# KiCad board Tiboard-v2.1.kicad_pcb
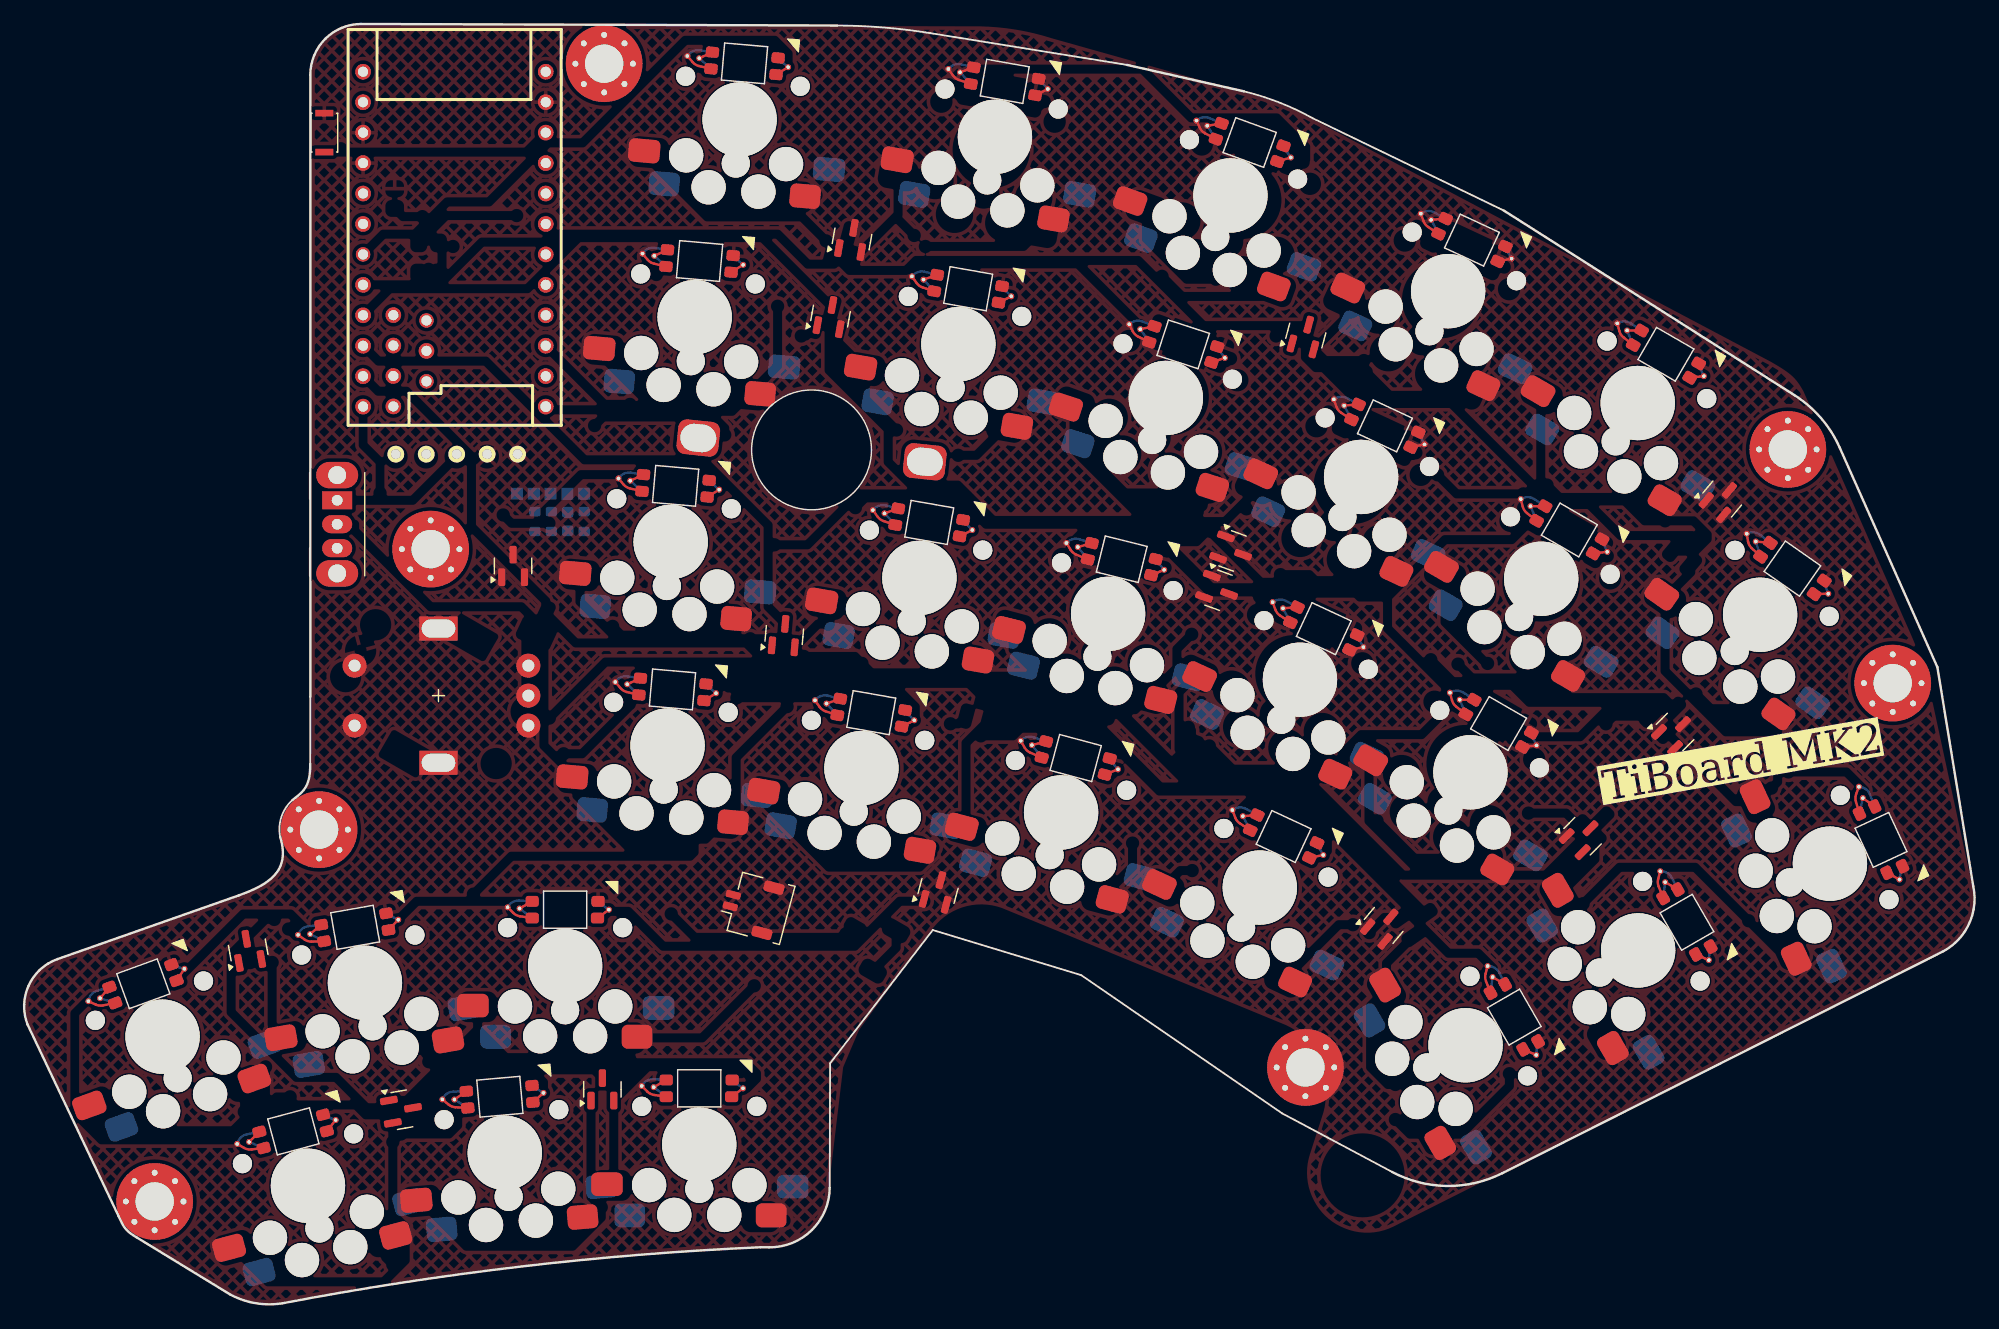
[diagram p0: board, top side]
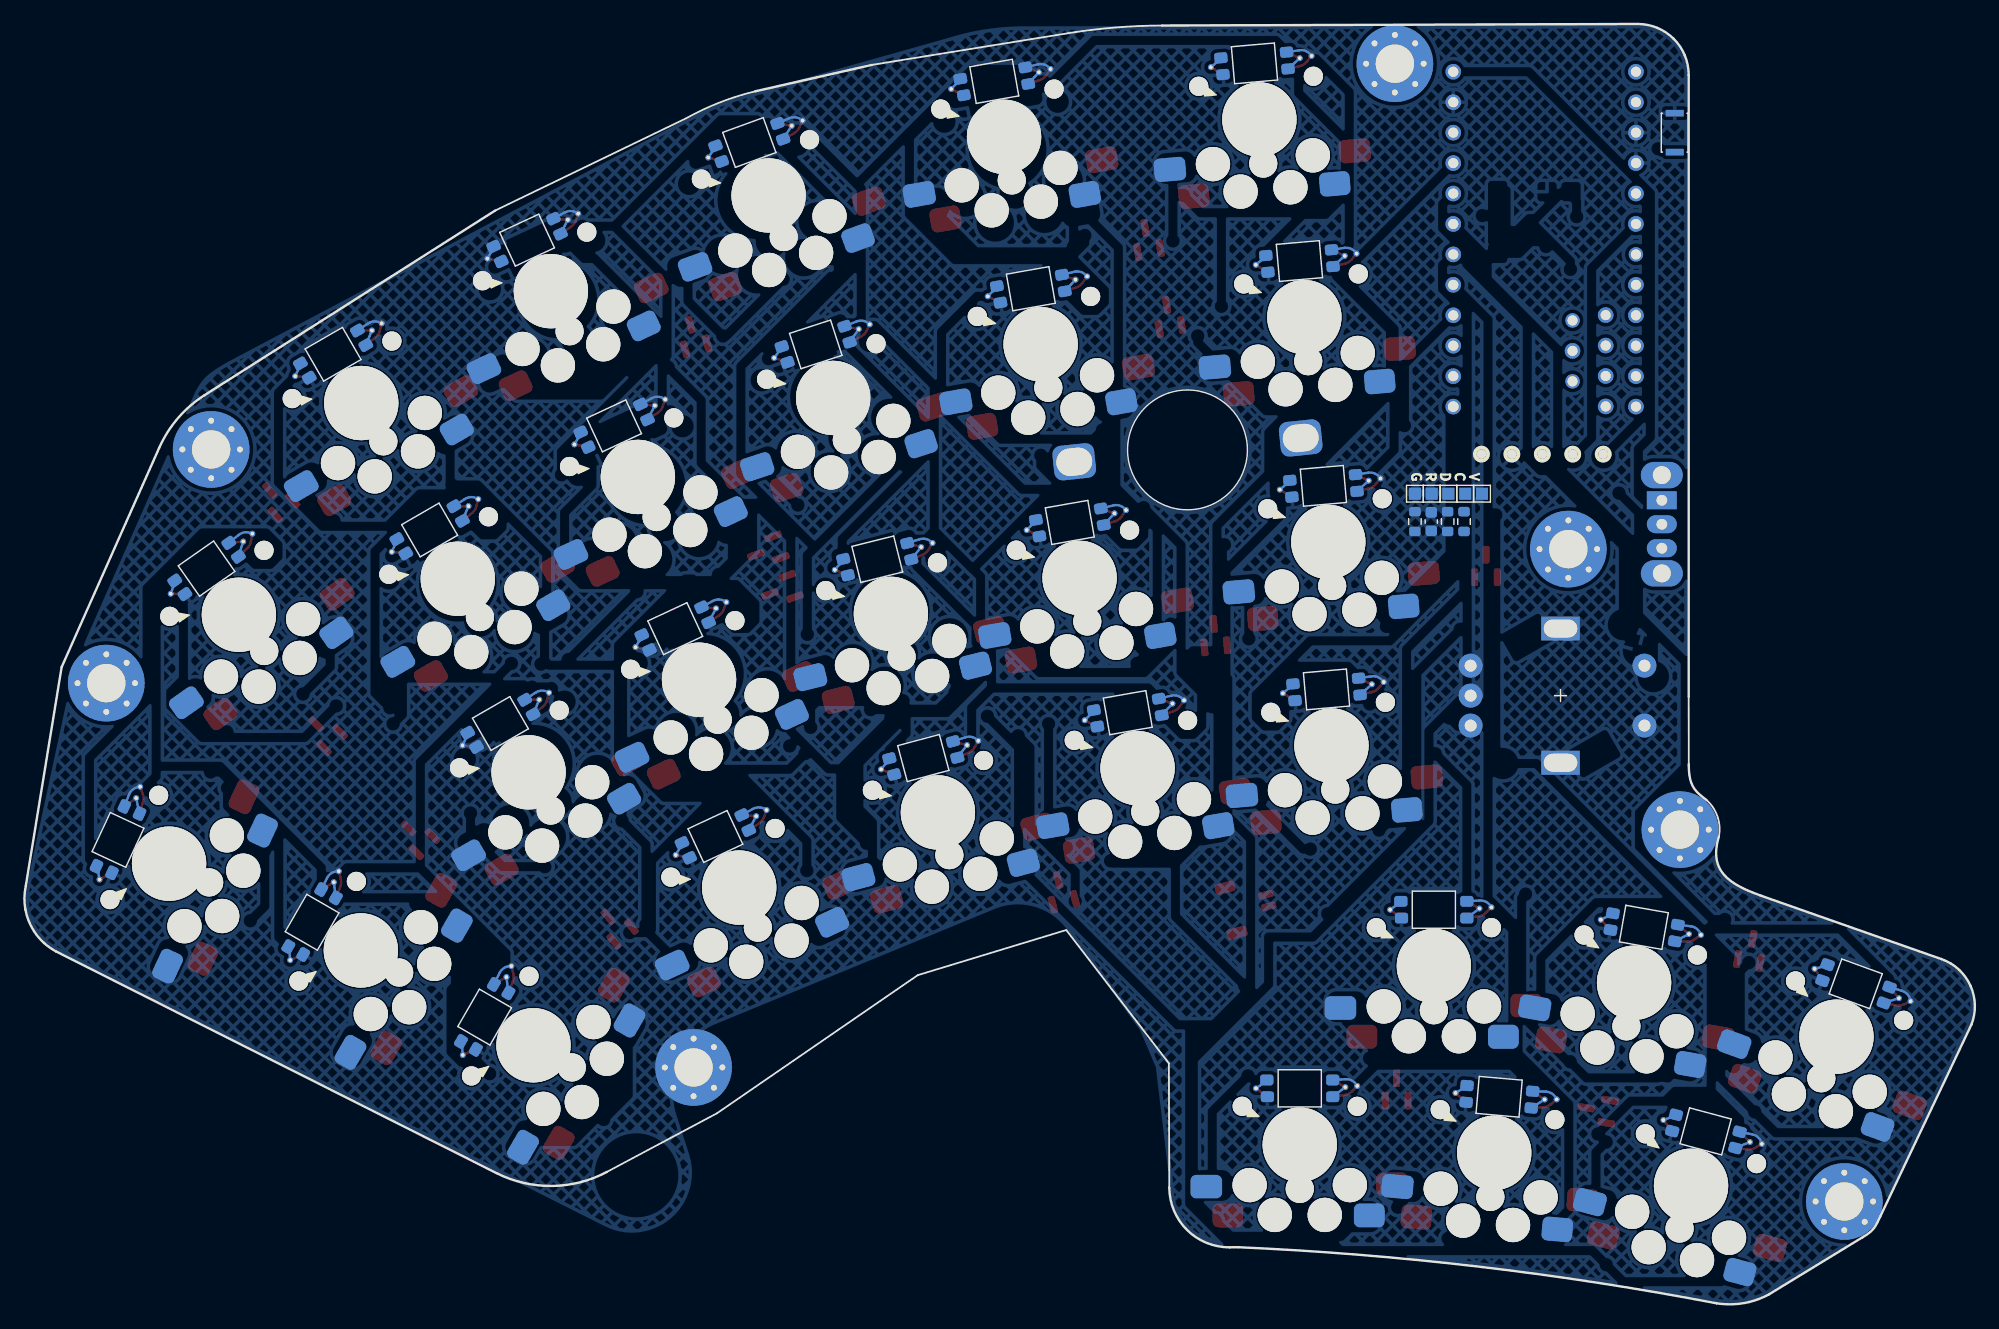
[diagram p1: board, bottom side, seen from below]

Outline 162.77 x 106.89 mm; copper layers: Top, Bottom. Coordinates in mm from the lower left corner of the outline.
Outline path: 0.29,23.42 7.9,7.39 ; 9.4,5.64 17.21,0.87 ; 17.89,34.17 2.8,28.87 ; 21.37,39.07 arc(21.48,40.74) 22.4,42.14 ; 21.56,0.15 arc(41.42,3.21) 61.46,4.82 62.17,4.82 arc(65.73,6.26) 67.22,9.8 67.26,20.17 75.82,31.29 88.21,27.52 104.96,16 114.13,11.11 arc(118.72,9.93) 123.33,11 160.11,29.51 ; 23.88,45.14 23.89,50.76 23.89,102.64 ; 28.12,106.89 67.83,106.76 arc(71.74,106.59) 75.64,106.12 92.03,103.47 101.78,101.27 arc(104.73,100.34) 107.53,99.02 123.46,91.32 147.71,75.92 arc(149.92,74.01) 151.48,71.54 159.63,53.22 162.62,34.96
Stack: Top 0.035mm / dielectric 1.51mm FR4 er 4.5 / Bottom 0.035mm

## Placement (name value [footprint] x y rotation side)
C1  2.2uF  [C_0603_1608Metric]  45.36 65.37 90 bottom
D1  BAV70  [SOT-23]  106.94 80.89 75 top
D2  BAV70  [SOT-23#2]  141.68 67.25 50 top
D3  BAV70  [SOT-23#3]  67.29 82.52 80 top
D4  BAV70  [SOT-23]  100.82 62.92 340 top
D5  BAV70  [SOT-23]  137.74 47.81 45 top
D6  BAV70  [SOT-23]  63.43 55.9 85 top
D7  BAV70  [SOT-23#3]  99.66 59.65 340 top
D8  BAV70  [SOT-23]  130.03 39.12 45 top
D9  BAV70  [SOT-23]  40.81 61.67 90 top
D10  BAV70  [SOT-23]  76.26 34.55 75 top
D11  BAV70  [SOT-23#2]  113.43 31.67 50 top
D12  BAV70  [SOT-23#3]  18.71 29.63 100 top
D13  BAV70  [SOT-23#3]  31.53 16.3 10 top
D14  BAV70  [SOT-23]  48.26 18 90 top
D31  BAV70  [SOT-23#3]  69.08 88.95 80 top
H1  PointingStick  [Pointing_Stick]  65.7 71.35 354 top
H2  MountingHole  [MountingHole_3.2mm_M3_Pad_Via]  147.15 71.39 0 top
H3  MountingHole  [MountingHole_3.2mm_M3_Pad_Via]  48.4 103.58 0 top
H4  MountingHole  [MountingHole_3.2mm_M3_Pad_Via]  10.9 8.64 0 top
H5  MountingHole  [MountingHole_3.2mm_M3_Pad_Via]  33.93 63.07 0 top
H6  MountingHole  [MountingHole_3.2mm_M3_Pad_Via]  155.9 51.89 0 top
H7  MountingHole  [MountingHole_3.2mm_M3_Pad_Via]  24.62 39.66 0 top
H8  MountingHole  [MountingHole_3.2mm_M3_Pad_Via]  106.91 19.83 0 top
J1  Conn_01x02_MountingPin  [JST_SHL_SM02B-SHLS-TF_1x02-1MP_P1.00mm_Horizontal]  60.67 33.31 75 top
J2  Conn_01x05_MountingPin  [NICEVIEW_5Pin]  31.02 71 0 top
kibuzzard-62E281FD  G***  [kibuzzard-62E281FD]  191.21 34.77 30 top
R1  4.7K  [R_0603_1608Metric]  42.63 65.37 270 bottom
R2  4.7K  [R_0603_1608Metric]  44 65.37 270 bottom
R3  100k  [R_0603_1608Metric]  46.73 65.37 270 bottom
RSW1  SW_RST  [SW_SPST_CK_KXT3]  25.06 97.82 270 top
RSW2  SW_RST  [SW_SPST_CK_KXT3]  25.06 97.82 270 bottom
SW1  SW_PUSH_LED  [TTC_mini]  59.7 98.92 175 top
SW2  SW_PUSH_LED  [TTC_mini]  81.01 97.47 170 top
SW3  SW_PUSH_LED  [TTC_mini]  100.65 92.58 160 top
SW4  SW_PUSH_LED  [TTC_mini#2]  118.81 84.59 155 top
SW5  SW_PUSH_LED  [TTC_mini]  134.63 75.26 150 top
SW6  SW_PUSH_LED  [TTC_mini]  144.84 57.59 145 top
SW7  SW_PUSH_LED  [TTC_mini]  55.95 82.43 175 top
SW8  SW_PUSH_LED  [TTC_mini]  77.95 80.17 170 top
SW9  SW_PUSH_LED  [TTC_mini]  95.26 75.69 162 top
SW10  SW_PUSH_LED  [TTC_mini#2]  111.55 69.09 155 top
SW11  SW_PUSH_LED  [TTC_mini]  126.58 60.6 150 top
SW12  SW_PUSH_LED  [TTC_mini]  150.67 36.83 115 top
SW13  SW_PUSH_LED  [TTC_mini]  53.95 63.67 175 top
SW14  SW_PUSH_LED  [TTC_mini]  74.7 60.67 170 top
SW15  SW_PUSH_LED  [TTC_mini]  90.45 57.67 166 top
SW16  SW_PUSH_LED  [TTC_mini#2]  106.45 52.18 155 top
SW17  SW_PUSH_LED  [TTC_mini]  120.67 44.45 150 top
SW18  SW_PUSH_LED  [TTC_mini]  134.67 29.59 120 top
SW19  SW_PUSH_LED  [TTC_mini]  53.69 46.68 175 top
SW20  SW_PUSH_LED  [TTC_mini]  69.87 44.8 170 top
SW21  SW_PUSH_LED  [TTC_mini]  86.52 41.1 165 top
SW22  SW_PUSH_LED  [TTC_mini#2]  103.1 34.83 155 top
SW23  SW_PUSH_LED  [TTC_mini]  40.11 12.7 185 top
SW24  SW_PUSH_LED  [TTC_mini]  120.27 21.67 120 top
SW25  Rotary_Encoder_Switch  [RotaryEncoder_Alps_EC11E-Switch_Vertical_H20mm-keebio_modified]  34.58 50.85 180 top
SW26  SW_PUSH_LED  [TTC_mini]  11.56 22.39 200 top
SW27  SW_PUSH_LED  [TTC_mini]  28.45 26.89 190 top
SW28  SW_PUSH_LED  [TTC_mini]  45.15 28.29 180 top
SW29  SW_PUSH_LED  [TTC_mini]  23.69 9.95 195 top
SW30  SW_PUSH_LED  [TTC_mini]  56.34 13.38 180 top
SW31  SW_SPDT  [SW_Slide_SPDT_Angled_CK_OS102011MA1Q]  26.13 67.15 270 top
TP1  GND  [TestPoint_Pad_1.0x1.0mm]  46.73 67.7 270 bottom
TP2  CLK  [TestPoint_Pad_1.0x1.0mm]  42.53 67.7 270 bottom
TP3  DATA  [TestPoint_Pad_1.0x1.0mm]  43.93 67.7 270 bottom
TP5  VCC  [TestPoint_Pad_1.0x1.0mm]  41.13 67.7 270 bottom
TP6  RST  [TestPoint_Pad_1.0x1.0mm]  45.33 67.7 270 bottom
U1  ~  [52840NANO_V2]  35.91 88.93 270 top

## Library data of the parts
C1 = -: ki_fp_filters: C_*
D1-D14 D31 = -: Datasheet: https://assets.nexperia.com/documents/data-sheet/BAV70_SER.pdf; Description: Dual 100V 215mA high-speed switching diodes, common cathode, SOT-23; ki_fp_filters: SOT?23*
H1-H8 = -: ki_fp_filters: MountingHole*
J1 = -: Description: Generic connectable mounting pin connector, single row, 01x02, script generated (kicad-library-utils/schlib/autogen/connector/); ki_fp_filters: Connector*:*_1x??-1MP*
J2 = -: Description: Generic connector, single row, 01x05, script generated (kicad-library-utils/schlib/autogen/connector/); ki_fp_filters: Connector*:*_1x??_*
R1-R3 = -: ki_fp_filters: R_*
SW1-SW24 SW26-SW30 = -: Field4: D?; Field5: SW_PUSH
SW25 = -: ki_fp_filters: RotaryEncoder*Switch*
SW31 = -: Description: Switch, single pole double throw
TP1-TP3 TP5 TP6 = -: ki_fp_filters: Pin* Test*

## Footprints (pads in the part's own frame, mm; a bottom-side part is the same pattern mirrored in y, then rotated)
52840NANO_V2
  round 1.3 hole 0.85: 1(-13.97,7.62) 2(-11.43,7.62) 3(-8.89,7.62) 4(-6.35,7.62) 5(-3.81,7.62) 6(-1.27,7.62) 7(1.27,7.62) 8(3.81,7.62) 9(6.35,7.62) 10(8.89,7.62) 11(11.43,7.62) 13(-13.97,-7.62) 14(-11.43,-7.62) 15(-8.89,-7.62) 16(-6.35,-7.62) 17(-3.81,-7.62) 18(-1.27,-7.62) 20(3.81,-7.62) 21(6.35,-7.62) 22(8.89,-7.62) 23(11.43,-7.62) 24(13.97,-7.62) 25(6.335,-5.095) 26(8.875,-5.095) 27(11.415,-5.095) 28(13.955,-5.095) 30(9.32,-2.331)
  round 1.3 hole 0.9: 12(13.97,7.62)
  round 1.2 hole 0.85: 19(1.27,-7.62) 29(6.78,-2.331) 31(11.86,-2.331)
C_0603_1608Metric
  rrect 0.9x0.95 smd: 1(-0.775,0) 2(0.775,0)
JST_SHL_SM02B-SHLS-TF_1x02-1MP_P1.00mm_Horizontal
  rrect 0.6x1.25 smd: 1(-0.5,1.675) 2(0.5,1.675)
  rrect 0.9x1.7 smd: MP(-1.95,-1.45) MP(1.95,-1.45)
MountingHole_3.2mm_M3_Pad_Via
  round 0.8 hole 0.5: 1(-2.4,0) 1(-1.697,1.697) 1(-1.697,-1.697) 1(0,2.4) 1(0,-2.4) 1(1.697,1.697) 1(1.697,-1.697) 1(2.4,0)
  round 6.4 hole 3.2: 1(0,0)
NICEVIEW_5Pin
  round 1.397 hole 0.813: 1(0,0) 2(2.54,0) 3(5.08,0) 4(7.62,0) 5(10.16,0)
Pointing_Stick
  rrect 3.5x2.9 hole 3x2.3: 1(-9.5,0) 1(9.5,0)
R_0603_1608Metric
  rrect 0.8x0.95 smd: 1(-0.825,0) 2(0.825,0)
RotaryEncoder_Alps_EC11E-Switch_Vertical_H20mm-keebio_modified
  round 2 hole 1: A(-7.5,2.5) B(-7.5,-2.5) C(-7.5,0) S1(7,-2.5) S2(7,2.5)
  rect 3.2x2 hole 2.8x1.5: MP(0,5.6) MP(0,-5.6)
SOT-23
  rrect 1.475x0.6 smd: 1(-0.938,0.95) 2(-0.938,-0.95) 3(0.938,0)
SOT-23#2
  rrect 1.475x0.6 smd: 1(-0.938,0.95) 2(-0.938,-0.95) 3(0.938,0)
SOT-23#3
  rrect 1.475x0.6 smd: 1(-0.937,0.95) 2(-0.938,-0.95) 3(0.938,0)
SW_Slide_SPDT_Angled_CK_OS102011MA1Q
  oval 2.2x3.5 hole 1.5: (-2.1,0) (6.1,0)
  rect 1.5x2.5 hole 0.9: 1(0,0)
  oval 1.5x2.5 hole 0.9: 2(2,0) 3(4,0)
SW_SPST_CK_KXT3
  rect 0.55x1.5 smd: 1(-1.625,0) 2(1.625,0)
TestPoint_Pad_1.0x1.0mm
  rect 1x1 smd: 1(0,0)
TTC_mini
  round 1.6 hole 1.6 unplated: (-4.8,-3.2) (4.8,-3.2)
  round 2.86 hole 2.86 unplated: (-4.183,3.37) (-2.086,5.86) (2.086,5.86) (4.183,3.37)
  round 2.35 hole 2.35 unplated: (0,3.69)
  round 6.2 hole 6.2 unplated: (0,0)
  rrect 1.1x0.9 smd: 1(2.75,-3.999) 2(2.75,-5.399) 3(-2.75,-5.399) 4(-2.7,-3.999)
  rrect 1.1x0.9 smd far side: 1(2.75,-5.399) 2(2.75,-3.999) 3(-2.7,-3.999) 4(-2.75,-5.399)
  round 0.5 hole 0.3: 1(4.8,-4.9) 2(3.8,-4.8) 4(-3.65,-4.7)
  rrect 2.64x1.96 smd far side: 5(-7.8,3.5)
  rrect 2.64x1.96 smd: 5(7.7,3.3)
  rrect 2.56x2 smd: 6(-6,5.9)
  rrect 2.56x2 smd far side: 6(5.8,5.9)
TTC_mini#2
  round 1.6 hole 1.6 unplated: (-4.8,-3.2) (4.8,-3.2)
  round 2.86 hole 2.86 unplated: (-4.183,3.37) (-2.086,5.86) (2.086,5.86) (4.183,3.37)
  round 2.35 hole 2.35 unplated: (0,3.69)
  round 6.2 hole 6.2 unplated: (0,0)
  rrect 1.1x0.9 smd: 1(2.75,-3.999) 2(2.75,-5.399) 3(-2.75,-5.399) 4(-2.7,-3.999)
  rrect 1.1x0.9 smd far side: 1(2.75,-5.399) 2(2.75,-3.999) 3(-2.7,-3.999) 4(-2.75,-5.399)
  round 0.5 hole 0.3: 1(4.8,-4.9) 2(3.8,-4.8) 4(-3.65,-4.7)
  rrect 2.64x1.96 smd far side: 5(-7.8,3.5)
  rrect 2.64x1.96 smd: 5(7.7,3.3)
  rrect 2.56x2 smd: 6(-6,5.9)
  rrect 2.56x2 smd far side: 6(5.8,5.9)

## Nets
GND: J2.4 R3.1 RSW1.1 RSW2.1 SW1.3 SW2.3 SW3.3 SW4.3 SW5.3 SW6.3 SW7.3 SW8.3 SW9.3 SW10.3 SW11.3 SW12.3 SW13.3 SW14.3 SW15.3 SW16.3 SW17.3 SW18.3 SW19.3 SW20.3 SW21.3 SW22.3 SW23.3 SW24.3 SW25.C SW26.3 SW27.3 SW28.3 SW29.3 SW30.3 TP1.1 U1.2 U1.15 U1.16
VCC: SW1.1 SW2.1 SW3.1 SW4.1 SW5.1 SW6.1 SW7.1 SW8.1 SW9.1 SW10.1 SW11.1 SW12.1 SW13.1 SW14.1 SW15.1 SW16.1 SW17.1 SW18.1 SW19.1 SW20.1 SW21.1 SW22.1 SW23.1 SW24.1 SW26.1 SW27.1 SW28.1 SW29.1 SW30.1 U1.4
/P0.06: J2.5 U1.13
/TP_CLK_P0.20: R1.1 TP2.1
/TP_DATA_P0.08: R2.1 TP3.1 U1.14
/V_BAT: C1.1 J2.3 R1.2 R2.2 SW31.1 TP5.1 U1.1
col0: SW6.6 SW12.6 SW18.6 SW24.6 SW30.6 U1.7
col1: SW5.6 SW11.6 SW17.6 SW22.6 SW23.6 U1.8
col2: SW4.6 SW10.6 SW16.6 SW21.6 SW29.6 U1.9
col3: SW3.6 SW9.6 SW15.6 SW20.6 SW28.6 U1.10
col4: SW2.6 SW8.6 SW14.6 SW19.6 SW27.6 U1.11
ENCA: SW25.A U1.5
ENCB: SW25.B U1.6
LED: SW1.4 U1.19
MOSI: J2.1 U1.17
RESET: RSW1.2 RSW2.2 U1.3
row0: D1.3 D2.3 D31.3 U1.20
row1: D3.3 D4.3 D5.3 U1.21
row2: D6.3 D7.3 D8.3 U1.22
row3: D9.3 D10.3 D11.3 U1.23
row4: D12.3 D13.3 D14.3 U1.24
SCK: J2.2 U1.18
SW25A: SW1.6 SW7.6 SW13.6 SW25.S1 SW26.6 U1.12
SW25B: D9.1 SW25.S2
Net-(C1-Pad2): C1.2 R3.2 TP6.1
Net-(D1-A-Pad1): D1.1 SW3.5
Net-(D1-A-Pad2): D1.2 SW4.5
Net-(D2-A-Pad1): D2.1 SW5.5
Net-(D2-A-Pad2): D2.2 SW6.5
Net-(D3-A-Pad1): D3.1 SW7.5
Net-(D3-A-Pad2): D3.2 SW8.5
Net-(D4-A-Pad1): D4.1 SW9.5
Net-(D4-A-Pad2): D4.2 SW10.5
Net-(D5-A-Pad1): D5.1 SW11.5
Net-(D5-A-Pad2): D5.2 SW12.5
Net-(D6-A-Pad1): D6.1 SW13.5
Net-(D6-A-Pad2): D6.2 SW14.5
Net-(D7-A-Pad1): D7.1 SW15.5
Net-(D7-A-Pad2): D7.2 SW16.5
Net-(D8-A-Pad1): D8.1 SW17.5
Net-(D8-A-Pad2): D8.2 SW18.5
Net-(D9-A-Pad2): D9.2 SW19.5
Net-(D10-A-Pad1): D10.1 SW20.5
Net-(D10-A-Pad2): D10.2 SW21.5
Net-(D11-A-Pad1): D11.1 SW22.5
Net-(D11-A-Pad2): D11.2 SW24.5
Net-(D12-A-Pad1): D12.1 SW26.5
Net-(D12-A-Pad2): D12.2 SW27.5
Net-(D13-A-Pad1): D13.1 SW28.5
Net-(D13-A-Pad2): D13.2 SW29.5
Net-(D14-A-Pad1): D14.1 SW23.5
Net-(D14-A-Pad2): D14.2 SW30.5
Net-(D31-A-Pad1): D31.1 SW1.5
Net-(D31-A-Pad2): D31.2 SW2.5
Net-(J1-Pin_1): J1.1 SW31.2
Net-(SW1B-DOUT): SW1.2 SW7.4
Net-(SW2B-DIN): SW2.4 SW8.2
Net-(SW2B-DOUT): SW2.2 SW3.4
Net-(SW3B-DOUT): SW3.2 SW9.4
Net-(SW4B-DOUT): SW4.2 SW5.4
Net-(SW10B-DIN): SW10.4 SW16.2
Net-(SW10B-DOUT): SW4.4 SW10.2
Net-(SW11B-DIN): SW5.2 SW11.4
Net-(SW11B-DOUT): SW11.2 SW17.4
Net-(SW12B-DIN): SW6.2 SW12.4
Net-(SW12B-DOUT): SW12.2 SW18.4
Net-(SW13B-DIN): SW7.2 SW13.4
Net-(SW13B-DOUT): SW13.2 SW19.4
Net-(SW14B-DIN): SW14.4 SW20.2
Net-(SW14B-DOUT): SW8.4 SW14.2
Net-(SW15B-DIN): SW9.2 SW15.4
Net-(SW15B-DOUT): SW15.2 SW21.4
Net-(SW16B-DIN): SW16.4 SW22.2
Net-(SW17B-DOUT): SW6.4 SW17.2
Net-(SW18B-DOUT): SW18.2 SW24.4
Net-(SW19B-DOUT): SW19.2 SW20.4
Net-(SW21B-DOUT): SW21.2 SW22.4
Net-(SW23B-DIN): SW23.4 SW29.2
Net-(SW23B-DOUT): SW23.2 SW30.4
Net-(SW24B-DOUT): SW24.2 SW28.4
Net-(SW26B-DIN): SW26.4 SW27.2
Net-(SW26B-DOUT): SW26.2 SW29.4
Net-(SW27B-DIN): SW27.4 SW28.2

Pads without a net: H1 1; H2 1; H3 1; H4 1; H5 1; H6 1; H7 1; H8 1; J1 2 MP; SW25 MP; SW30 2; SW31 3; U1 25 26 27 28 29 30 31

## Copper pours and planes (outline as drawn; the poured copper is in the pictures)
GND on Top, Bottom: 165.7,118.92 176.45,-12.58 -10.3,-12.83 -13.05,122.17

## Text on the board
B.Silkscreen: V / C / D / R / G
F.Silkscreen: TiBoard MK2
